# Allegro board C112P01-T2-ZDS-A03.brd (continued)
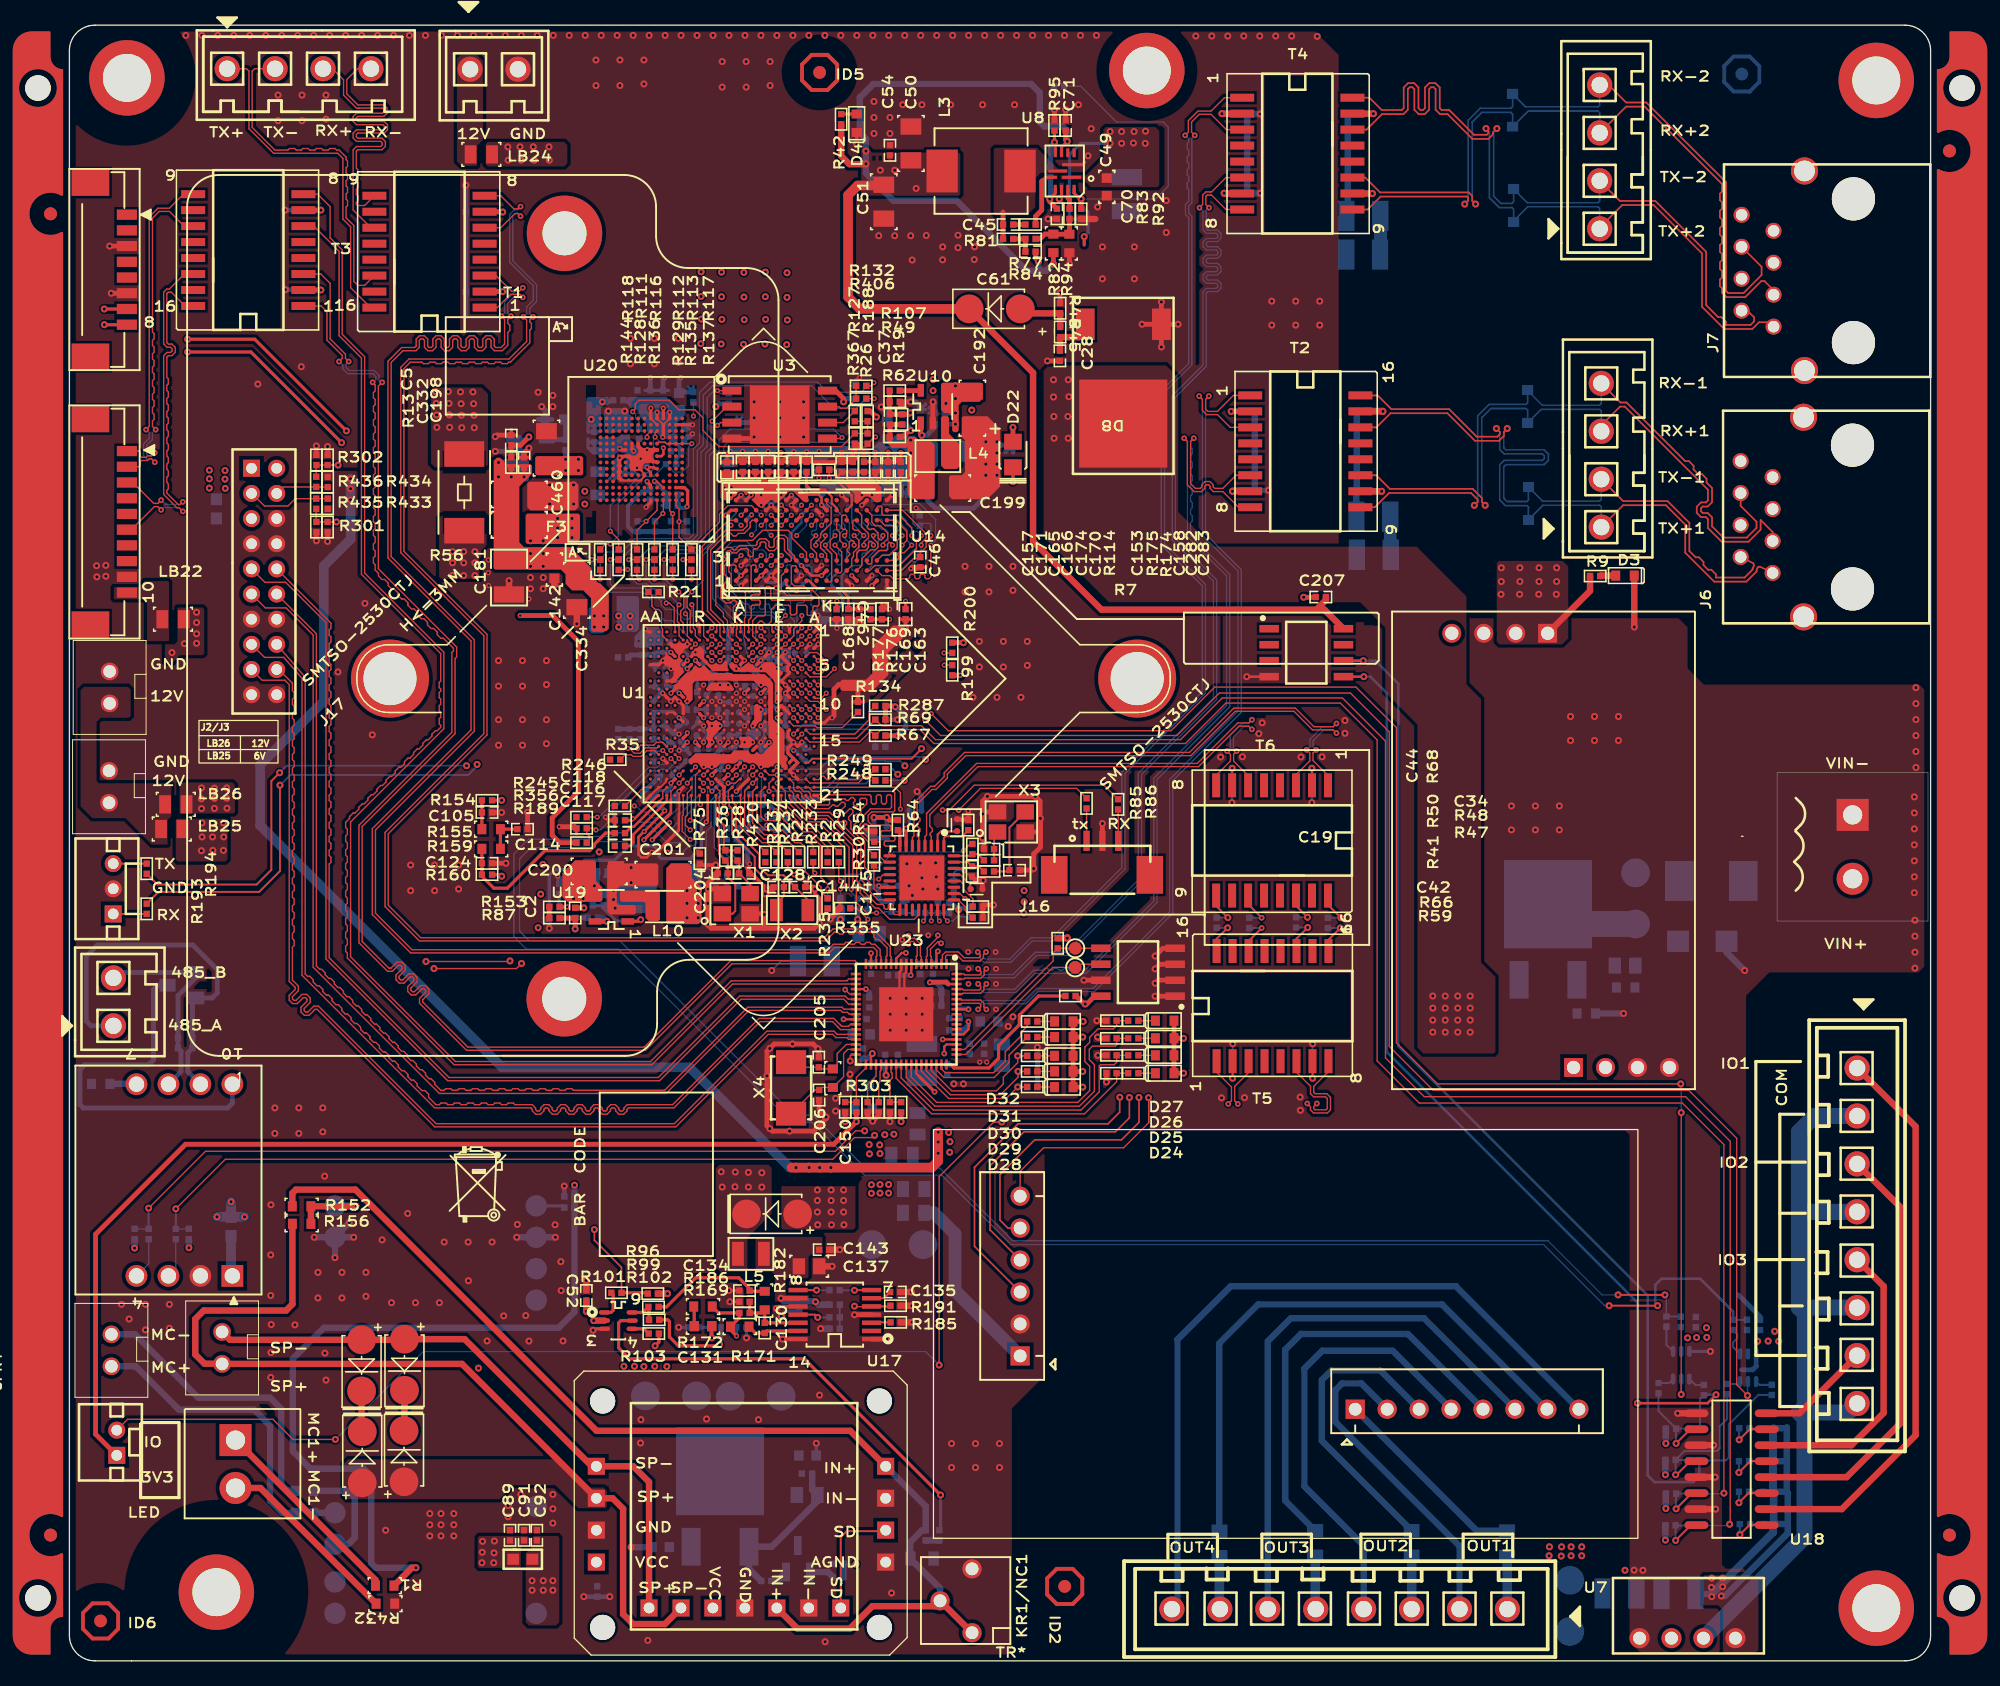
[diagram p0: board, top side]
## Routing (per net, layer and track width the routed paths; a pad name or vN(x,y) marks a point on that pad's centre or on a via; arc(x,y) is an arc through that point) (continued)
RXIP1: length 71.1
  TOP w0.102: T2.6 92.74,94.26 91.69,93.22 91.05,93.22 90.93,93.34 90.93,93.5 90.66,93.76 90.28,93.76 90.01,93.5 90.01,93.34 89.89,93.22 89.51,93.22 89.13,93.6 89.13,96.95 v2(89.38,97.21) ; v2(72.24,53.82) 72.44,53.62 72.44,53.44 72.34,53.34 71.07,53.34 71,53.41 U23.65
  BOTTOM w0.102: v2(72.24,53.82) 72.44,53.62 72.44,53.39 72.69,53.14 75.24,53.14 76.76,54.66 80.82,54.66 86.46,60.3 86.46,70.07 92.24,75.85 92.24,86.37 89.13,89.49 89.13,90.49 89.26,90.62 89.26,91.02 89.13,91.15 89.13,91.56 89.26,91.69 89.26,92.09 89.13,92.22 89.13,92.63 89.26,92.76 89.26,93.16 89.13,93.29 89.13,93.7 89.26,93.82 89.26,94.23 89.13,94.36 89.13,94.77 89.26,94.89 89.26,95.3 89.13,95.43 89.13,95.84 89.26,95.96 89.26,96.37 89.13,96.5 89.13,96.95 v2(89.38,97.21)
RXIP2: length 89.6
  TOP w0.102: T4.6 91.94,117.93 90.81,116.8 90.71,116.8 90.7,116.79 90.34,116.79 90.09,116.54 90.09,115.79 v2(89.83,115.54) ; v2(72.9,55.02) 72.72,54.85 72.72,54.53 72.47,54.28 71.17,54.28 71.1,54.21 U23.67
  BOTTOM w0.102: v2(72.9,55.02) 72.69,54.82 72.69,54.66 72.8,54.56 75,54.56 76.78,56.34 79.21,56.34 84.97,62.1 84.97,70.58 90.94,76.55 90.94,85.84 87.67,89.11 87.67,100.57 90.12,103.03 90.12,108.85 90.39,109.12 91.17,109.12 91.29,109.24 91.29,109.41 91.17,109.53 90.39,109.53 90.12,109.8 90.12,110.17 90.39,110.44 91.17,110.44 91.29,110.56 91.29,110.73 91.17,110.85 90.39,110.85 90.12,111.12 90.12,111.5 90.39,111.77 91.17,111.77 91.29,111.89 91.29,112.05 91.17,112.17 90.39,112.17 90.12,112.44 90.12,112.82 90.39,113.09 91.17,113.09 91.29,113.21 91.29,113.38 91.17,113.5 90.39,113.5 90.12,113.76 90.12,115.25 v2(89.83,115.54)
RXIP3: length 62.4
  TOP w0.102: U23.7 67.32,55.99 67.4,56.06 67.4,56.88 67.08,57.2 66.89,57.2 v2(66.69,57) ; T5.6 97.55,46.79 98.66,45.68 98.66,45.09 98.91,44.84 99.85,44.84 100,44.7 100,43.91 99.89,43.81 99.01,43.81 98.91,43.91 98.91,44.06 v2(99.17,44.31)
  ART03 w0.102: v2(66.69,57) 66.89,57.2 67.13,57.2 67.24,57.09 67.24,56.92 67.16,56.84 67.16,56.67 67.28,56.55 67.44,56.55 67.53,56.64 67.7,56.64 67.82,56.52 67.82,56.35 67.73,56.26 67.73,56.09 67.85,55.97 68.02,55.97 68.11,56.06 68.27,56.06 68.39,55.94 68.39,55.77 68.31,55.69 68.31,55.52 68.43,55.4 68.6,55.4 68.68,55.48 68.85,55.48 69.09,55.25 69.09,50.67 70.28,49.48 70.28,47.39 71.93,45.74 71.93,40.6 73.53,39 98.13,39 98.91,39.79 98.91,44.06 v2(99.17,44.31)
RXIP4: length 119
  TOP w0.102: v2(36.86,106.86) 36.6,106.6 36.6,106.46 36.73,106.33 36.73,105.93 36.6,105.8 36.6,104.8 36.19,104.39 36.19,104.39 35.05,103.25 34.92,103.25 34.8,103.14 34.4,103.14 34.28,103.25 33.88,103.25 33.76,103.14 33.35,103.14 33.24,103.25 32.83,103.25 32.72,103.14 32.31,103.14 32.2,103.25 31.79,103.25 31.67,103.14 31.27,103.14 31.15,103.25 30.74,103.25 30.63,103.14 30.22,103.14 30.11,103.25 29.7,103.25 29.59,103.14 29.18,103.14 29.06,103.25 28.66,103.25 28.54,103.14 28.13,103.14 28.02,103.25 27.1,103.25 26.59,102.74 26.59,88.21 33.2,81.61 33.2,73.61 25.35,65.76 25.35,60.07 27.93,57.49 60,57.49 60.7,58.19 63.86,58.19 65.25,56.8 65.25,56.06 65.32,55.99 U23.12 ; T1.6 34.29,113.94 35.41,115.06 35.66,115.06 v2(35.86,114.86)
  BOTTOM w0.102: v2(36.86,106.86) 36.6,107.11 36.6,107.54 37.13,108.07 37.13,109.42 35.26,111.3 35.26,114.88 35.49,115.11 35.61,115.11 v2(35.86,114.86)
RXIP5: length 115.3
  TOP w0.102: U23.20 52.72,53.81 46.3,47.4 30.58,47.4 22.1,55.88 22.1,56.26 21.96,56.4 21.96,56.81 22.1,56.95 22.1,57.36 21.96,57.5 21.96,57.91 22.1,58.05 22.1,58.45 21.96,58.59 21.96,59 22.1,59.14 22.1,59.55 21.96,59.69 21.96,60.1 22.1,60.24 22.1,60.64 21.96,60.78 21.96,61.19 22.1,61.33 22.1,61.74 21.96,61.88 21.96,62.29 22.1,62.43 22.1,62.83 21.96,62.97 21.96,63.38 22.1,63.52 22.1,63.93 21.96,64.07 21.96,64.47 22.1,64.61 22.1,65.02 21.96,65.16 21.96,65.57 22.1,65.71 22.1,66.12 21.96,66.26 21.96,66.66 22.27,66.98 22.27,67.13 22.56,67.41 22.71,67.41 23,67.7 23,67.85 23.29,68.14 23.44,68.14 23.72,68.43 23.72,68.58 24.01,68.87 24.16,68.87 24.45,69.16 24.45,69.31 24.74,69.6 24.89,69.6 25.18,69.88 25.18,70.03 25.47,70.32 25.62,70.32 25.91,70.61 25.91,70.76 26.19,71.05 26.34,71.05 26.63,71.34 26.63,71.49 26.92,71.78 27.07,71.78 27.36,72.07 27.36,72.22 27.65,72.5 27.8,72.5 28.09,72.79 28.09,72.94 28.38,73.23 28.53,73.23 28.81,73.52 28.81,73.67 29.1,73.96 29.25,73.96 29.51,74.22 29.51,74.38 29.4,74.49 29.4,74.9 29.51,75.01 29.51,75.42 29.4,75.53 29.4,75.94 29.51,76.06 29.51,76.46 29.4,76.58 29.4,76.99 29.51,77.1 29.51,77.27 29.4,77.38 29.4,77.79 29.51,77.91 29.51,80.08 23.22,86.38 23.22,103.58 21.44,105.36 21.44,112.06 19.43,114.07 T3.6
RXIP6: length 83.3
  TOP w0.102: U11.10 20.79,82.51 20.79,82.1 20.65,81.96 20.65,81.55 20.79,81.41 20.79,81 20.65,80.86 20.65,80.46 20.79,80.32 20.79,79.91 20.65,79.77 20.65,79.36 20.79,79.22 20.79,78.81 20.65,78.68 20.65,78.27 20.79,78.13 20.79,77.72 20.65,77.58 20.65,77.17 20.79,77.03 20.79,76.63 20.65,76.49 20.65,76.08 20.79,75.94 20.79,75.53 20.65,75.39 20.65,74.98 20.79,74.84 20.79,74.44 20.65,74.3 20.65,73.89 20.79,73.75 20.79,73.34 20.65,73.2 20.65,72.79 20.79,72.65 20.79,72.25 20.65,72.11 20.65,71.7 20.79,71.56 20.79,71.15 20.65,71.01 20.65,70.6 20.79,70.47 20.79,70.06 20.65,69.92 20.65,69.51 20.79,69.37 20.79,68.96 20.65,68.82 20.65,68.42 20.79,68.28 20.79,67.87 20.65,67.73 20.65,67.32 20.79,67.18 20.79,66.77 20.65,66.63 20.65,66.23 20.79,66.09 20.79,65.68 20.65,65.54 20.65,65.13 20.79,64.99 20.79,64.58 20.65,64.44 20.65,64.04 20.79,63.9 20.79,63.49 20.65,63.35 20.65,55.91 30.18,46.38 46.81,46.38 53.29,52.86 61.67,52.86 61.92,52.61 U23.23
RXIP7: length 83.5
  TOP w0.102: U23.31 61.94,49.41 61.8,49.56 60.93,49.56 60.68,49.81 55.55,49.81 48.2,42.46 29.04,42.46 19.7,51.8 19.53,51.8 19.06,51.32 18.68,51.32 18.41,51.59 18.41,51.97 18.88,52.45 18.88,52.61 18.76,52.73 18.6,52.73 18.12,52.26 17.74,52.26 17.47,52.53 17.47,52.91 17.95,53.38 17.95,53.55 17.48,54.02 17.48,77.62 17.13,77.97 15.33,77.97 U11.17
SD6: length 4.3
  TOP w0.102: U11.4 16.99,93.33 R436.1 19.63,93.32 R434.2
SD7: length 6.7
  TOP w0.102: U11.3 14.51,92.82 15.51,91.82 17.37,91.82 17.96,92.41 R435.1 R433.2
SDIO1_CCMD: length 1.2
  TOP w0.152: R234.2 57.1,63.02 v3(57.61,62.51)
SDIO1_CDATA0: length 0.9
  TOP w0.152: v3(59.26,62.64) 59.13,62.76 R233.2
SENSOR0_RSTN/BOOT_SEL1: length 11.9
  TOP w0.102: v3(48.47,71.73) 48.47,71.73 U1.V16 ; R189.2 41.35,65.28 41.35,65.56 41.12,65.79 R356.1 41.73,66.19 v3(41.86,66.07)
  BOTTOM w0.102: v3(41.86,66.07) 42.21,66.07 43.18,67.03 43.18,67.64 46.3,70.76 46.81,70.76 46.94,70.89 47.63,70.89 v3(48.47,71.73)
SFC_CLK: length 2.5
  TOP w0.102: U3.6 61.52,98.45 R127.2
SFC_CSN: length 22.7
  TOP w0.102: U3.1 v3(51.51,100.99) ; R136.2 45.12,86.18 v3(45.3,86)
  BOTTOM w0.102: v3(45.3,86) 45.12,86.18 45.12,87.49 46.05,88.42 46.39,88.42 46.62,88.65 49.45,88.65 50.22,89.41 50.22,96.09 50.7,96.57 50.7,100.43 51.26,100.99 v3(51.51,100.99) 51.74,100.76 R192.2
SFC_HOLD_IO3: length 35.4
  TOP w0.102: v3(44.37,86.77) 44.35,86.74 R128.2 ; v3(63.98,100.36) R406.2
  BOTTOM w0.102: v3(44.37,86.77) 44.37,86.79 44.02,87.15 44.02,87.78 45.16,88.93 49.35,88.93 49.91,89.48 49.91,96.22 50.39,96.7 50.39,100.63 51.13,101.37 59,101.37 60.78,99.59 62.56,99.59 63.32,100.36 R406.2 v3(63.98,100.36)
SFC_MISO_IO1: length 18.5
  TOP w0.102: v3(51.09,98.56) 52.25,99.72 U3.2 ; v3(46.51,86) R129.2
  BOTTOM w0.102: v3(51.09,98.56) 51,98.48 51,96.42 50.57,95.99 50.57,89.33 49.58,88.34 47.37,88.34 46.51,87.48 v3(46.51,86)
SFC_MOSI_IO0: length 24.3
  TOP w0.102: v3(61.42,97.26) 61.34,97.18 U3.5 ; v3(49.47,86) 49.44,86.03 R137.2
  BOTTOM w0.102: v3(49.47,86) 49.99,86.52 49.99,87.91 51.21,89.13 51.21,95.73 51.64,96.16 51.64,97.05 52.53,97.94 60.73,97.94 v3(61.42,97.26)
SFC_WP_IO2: length 17.3
  TOP w0.102: v3(47.96,86) R135.2 ; U3.3 51.77,98.45 51.54,98.22 v3(51.51,98.22)
  BOTTOM w0.102: R65.1 51.77,98.45 51.54,98.22 v3(51.51,98.22) 51.31,98.02 51.31,96.27 50.88,95.83 50.88,89.2 49.71,88.04 48.34,88.04 47.96,87.66 v3(47.96,86)
SPI0_CSN/I2C1_SCL: length 2.2
  TOP w0.102: U1.V15 v3(47.82,72.38)
  BOTTOM w0.102: R208.2 46.84,73.28 47.73,72.38 v3(47.82,72.38)
SPI0_SDI/I2C1_SDA: length 3.7
  TOP w0.102: U1.W15 47.5,72.71 47.17,73.03 46.68,73.03 46.46,72.81 46.45,72.81 46.44,72.81 45.42,72.81 v3(45.16,72.54)
  BOTTOM w0.102: R207.2 44.53,73.18 v3(45.16,72.54)
SPI0_SDO/I2C0_SDA: length 3.9
  TOP w0.102: U1.Y15 46.85,72.71 46.73,72.59 45.8,72.59 45.36,72.16 44.91,72.16 44.53,72.54 v3(44.4,72.54)
  BOTTOM w0.102: v3(44.4,72.54) 43.66,73.28 R204.2
SPK+: length 70.3
  TOP w0.508: R156.1 17.73,28.36 17.22,27.85 10.68,27.85 10.01,27.18 10.01,24.36 10.74,23.62 12.13,23.62 J11.1 31.21,23.61 U13.6 43.18,12.93 44.02,12.09 44.02,3.71 44.8,2.93 47.34,2.93 J18.2
SPK-: length 48.9
  TOP w0.508: J11.2 12.77,25.52 D45.1 26.58,25.52 D39.1 31.42,25.58 41.53,15.47 U13.5 44.83,15.47 46.08,14.22 J18.1
SVB_PWM: length 21
  TOP w0.203: U1.P21 50.74,68.81 50.74,66.82 v3(50.62,66.7)
  BOTTOM w0.254: R203.1 38.15,62.48 38.56,62.89 40.21,62.89 40.97,63.65 43.33,63.65 44.48,64.8 46.46,64.8 46.89,64.36 46.89,63.93 47.04,63.78 49.35,63.78 50.24,64.67 50.24,66.32 v3(50.62,66.7)
SYS_RSTN_OUT: length 37.7
  TOP w0.102: v3(63.96,101.63) 63.7,101.37 R132.2 ; R144.2 v3(42.2,86)
  BOTTOM w0.102: v3(63.96,101.63) 63.7,101.37 R132.2 63.35,101.27 62.94,100.86 60.27,100.86 59.46,101.68 50.93,101.68 50.09,100.84 50.09,96.82 49.61,96.34 49.61,89.53 49.3,89.23 44.96,89.23 43.89,88.16 42.75,88.16 42.2,87.61 v3(42.2,86)
TEST_MODE: length 6.9
  TOP w0.102: R75.1 49.77,64.53 49.77,70.43 U1.R18
TP_INT: length 6.9
  TOP w0.102: R287.2 63.58,75.44 63.58,74.83 62.43,73.69 58.87,73.69 U1.B13
TP_RST: length 7.4
  TOP w0.102: U1.C13 v3(57.57,73.68)
  BOTTOM w0.102: v3(57.57,73.68) 58.33,74.45 63.68,74.45 R198.2
TX+3: length 3.1
  TOP w0.152: v1(92.07,58.28) 91.2,57.4 T5.16
  BOTTOM w0.152: R138.1 v1(92.07,58.28)
TX-3: length 3.3
  TOP w0.152: T5.14 93.74,57.23 v2(94.78,58.27)
  BOTTOM w0.152: R133.1 v2(94.78,58.27)
TXOM1: length 71.2
  TOP w0.102: T2.3 92.28,98.07 91.26,99.09 90.39,99.09 90.07,99.41 90.07,100.3 v2(89.81,100.55) ; v2(72.24,51.8) 72.44,52 72.44,52.18 72.34,52.28 70.9,52.28 70.83,52.21 U23.62
  BOTTOM w0.102: v2(72.24,51.8) 72.44,52 72.44,52.25 72.69,52.5 75.92,52.5 76.89,53.47 81.37,53.47 87.46,59.55 87.46,70.07 92.9,75.52 92.9,86.65 90.07,89.48 90.07,100.3 v2(89.81,100.55)
TXOM2: length 89.3
  TOP w0.102: U23.2 69.32,55.73 69.4,55.81 69.4,56.11 69.65,56.36 70.66,56.36 71.12,55.91 72.31,55.91 72.41,56.01 72.41,56.15 v2(72.21,56.36) ; T4.3 91.97,121.74 90.75,122.96 89.82,122.96 89.2,122.35 89.2,121.54 v2(89.46,121.29)
  BOTTOM w0.102: v2(72.21,56.36) 72.41,56.15 72.41,55.8 72.66,55.55 74.86,55.55 76.54,57.23 78.19,57.23 83.92,62.96 83.92,70.55 90.31,76.95 90.31,85.58 87.06,88.83 87.06,100.83 87.15,100.92 87.15,100.95 89.23,103.04 89.23,114.84 88.97,115.1 88.97,115.68 89.23,115.93 89.23,121.06 v2(89.46,121.29)
TXOM3: length 63
  TOP w0.102: U23.4 68.52,55.99 68.45,56.06 68.45,56.58 69.04,57.17 69.17,57.17 v2(69.29,57.05) ; v2(92.88,44.28) 92.63,44.53 92.63,45.67 93.74,46.78 T5.3
  ART03 w0.102: v2(92.88,44.28) 92.63,44.02 92.63,41.93 92.11,41.41 91.54,41.41 91.27,41.68 91.27,42.35 91.15,42.47 90.98,42.47 90.86,42.35 90.86,41.68 90.59,41.41 90.22,41.41 89.95,41.68 89.95,42.35 89.83,42.47 89.66,42.47 89.54,42.35 89.54,41.68 89.27,41.41 88.89,41.41 88.62,41.68 88.62,42.35 88.5,42.47 88.34,42.47 88.22,42.35 88.22,41.68 87.95,41.41 87.57,41.41 87.3,41.68 87.3,42.35 87.18,42.47 87.01,42.47 86.89,42.35 86.89,41.68 86.62,41.41 86.25,41.41 85.98,41.68 85.98,42.35 85.86,42.47 85.69,42.47 85.57,42.35 85.57,41.68 85.3,41.41 84.92,41.41 84.65,41.68 84.65,42.35 84.53,42.47 84.37,42.47 84.25,42.35 84.25,41.68 83.98,41.41 83.6,41.41 83.33,41.68 83.33,42.35 83.21,42.47 83.04,42.47 82.92,42.35 82.92,41.68 82.66,41.41 82.28,41.41 82.01,41.68 82.01,42.35 81.89,42.47 81.72,42.47 81.6,42.35 81.6,41.68 81.33,41.41 80.95,41.41 80.68,41.68 80.68,42.35 80.56,42.47 80.4,42.47 80.28,42.35 80.28,41.68 80.01,41.41 79.63,41.41 79.36,41.68 79.36,42.35 79.24,42.47 79.07,42.47 78.95,42.35 78.95,41.68 78.69,41.41 73.81,41.41 72.97,42.25 72.97,46.03 71.32,47.68 71.32,49.88 70.23,50.97 70.23,54.95 70,55.18 70,55.36 70.23,55.59 70.23,55.77 70,56 70,56.18 70.23,56.4 70.23,56.89 69.76,57.36 69.5,57.36 69.41,57.33 v2(69.29,57.05)
TXOM4: length 118.8
  TOP w0.102: U23.15 64.12,55.99 64.2,56.06 64.2,56.45 63.93,56.72 60.83,56.72 60.4,56.29 27.13,56.29 24.08,59.33 24.08,66.17 31.93,74.02 31.93,81.08 25.32,87.69 25.32,103.33 26.41,104.42 27.45,104.42 27.57,104.54 27.57,105.09 27.83,105.36 28.21,105.36 28.48,105.09 28.48,104.54 28.6,104.42 28.77,104.42 28.89,104.54 28.89,105.09 29.16,105.36 29.54,105.36 29.8,105.09 29.8,104.54 29.92,104.42 30.09,104.42 30.21,104.54 30.21,105.09 30.48,105.36 30.86,105.36 31.13,105.09 31.13,104.54 31.25,104.42 31.42,104.42 31.54,104.54 31.54,105.09 31.8,105.36 32.18,105.36 32.45,105.09 32.45,104.54 32.57,104.42 32.74,104.42 32.86,104.54 32.86,105.09 33.13,105.36 33.51,105.36 33.77,105.09 33.77,104.54 33.89,104.42 34.31,104.42 34.59,104.7 34.59,106.65 v2(34.34,106.91) ; v2(36.04,109.17) 35.77,108.9 35.14,108.9 33.91,110.13 T1.3
  BOTTOM w0.102: v2(34.34,106.91) 34.59,107.16 34.59,108.05 35.46,108.92 35.79,108.92 v2(36.04,109.17)
TXOM5: length 115.3
  TOP w0.102: v2(24.87,101.65) 24.56,101.35 24.56,86.83 30.78,80.61 30.78,79.81 30.66,79.69 30.66,73.72 23.27,66.33 23.27,57.2 25.4,55.08 25.56,55.08 26.05,55.56 26.43,55.56 26.7,55.29 26.7,54.91 26.21,54.43 26.21,54.26 26.33,54.14 26.5,54.14 26.99,54.63 27.37,54.63 27.63,54.36 27.63,53.98 27.15,53.49 27.15,53.32 27.27,53.2 27.44,53.2 27.92,53.69 28.3,53.69 28.57,53.42 28.57,53.04 28.08,52.56 28.08,52.39 31.68,48.79 45.69,48.79 52.57,55.68 62.43,55.68 62.7,55.41 63.32,55.41 ; v2(22.2,103.3) 21.95,103.56 21.95,103.89 20.73,105.11 20.73,109.52 19.99,110.26 T3.3
  BOTTOM w0.102: v2(24.87,101.65) 24.71,101.65 24.61,101.75 24.61,102.21 24.23,102.59 22.23,102.59 22,102.82 22,103.1 v2(22.2,103.3)
TXOM6: length 82.8
  TOP w0.102: U23.26 62.01,51.41 61.86,51.56 61.47,51.56 61.31,51.71 54.03,51.71 47.43,45.11 29.41,45.11 19.38,55.14 19.38,81.56 17.22,83.72 15.58,83.72 U11.11
TXOM7: length 83.7
  TOP w0.102: U23.28 62.09,50.61 61.93,50.44 61.4,50.44 61.3,50.54 61.3,50.55 60.77,51.08 54.81,51.08 47.96,44.22 44.35,44.22 44.08,43.95 44.08,43.83 43.96,43.71 43.79,43.71 43.67,43.83 43.67,43.95 43.4,44.22 43.03,44.22 42.76,43.95 42.76,43.83 42.64,43.71 42.47,43.71 42.35,43.83 42.35,43.95 42.08,44.22 41.7,44.22 41.43,43.95 41.43,43.83 41.31,43.71 41.15,43.71 41.03,43.83 41.03,43.95 40.76,44.22 40.38,44.22 40.11,43.95 40.11,43.83 39.99,43.71 39.82,43.71 39.7,43.83 39.7,43.95 39.43,44.22 39.06,44.22 38.79,43.95 38.79,43.83 38.67,43.71 38.5,43.71 38.38,43.83 38.38,43.95 38.11,44.22 37.73,44.22 37.46,43.95 37.46,43.83 37.34,43.71 37.18,43.71 37.06,43.83 37.06,43.95 36.79,44.22 35.42,44.22 35.29,44.35 34.88,44.35 34.76,44.22 34.35,44.22 34.22,44.35 33.82,44.35 33.69,44.22 33.28,44.22 33.15,44.35 32.75,44.35 32.62,44.22 32.21,44.22 32.08,44.35 31.68,44.35 31.55,44.22 31.14,44.22 31.02,44.35 30.61,44.35 30.48,44.22 30.07,44.22 29.95,44.35 29.54,44.35 29.41,44.22 29.14,44.22 28.55,44.8 28.55,45.05 28.27,45.34 28.02,45.34 27.65,45.71 27.65,45.88 27.36,46.17 27.19,46.17 26.9,46.46 26.9,46.63 26.61,46.92 26.44,46.92 26.15,47.21 26.15,47.38 25.86,47.67 25.69,47.67 25.4,47.96 25.4,48.13 25.11,48.42 24.94,48.42 24.65,48.71 24.65,48.88 24.36,49.17 24.19,49.17 23.9,49.46 23.9,49.63 23.61,49.92 23.44,49.92 23.15,50.21 23.15,50.39 22.86,50.67 22.69,50.67 22.4,50.96 22.4,51.14 22.11,51.42 21.93,51.42 21.65,51.71 21.65,51.89 21.36,52.17 21.18,52.17 20.9,52.46 20.9,52.64 20.61,52.93 20.43,52.93 20.15,53.21 20.15,53.39 19.86,53.68 19.68,53.68 19.39,53.96 19.39,54.14 19.11,54.43 18.93,54.43 18.75,54.61 18.75,78.21 U11.16
TXOP1: length 71.3
  TOP w0.102: v2(72.9,51.8) 72.69,52 72.69,52.29 72.44,52.54 70.93,52.54 70.86,52.61 U23.63 ; T2.1 92.53,100.61 91.26,99.34 90.5,99.34 90.32,99.52 90.32,100.3 v2(90.58,100.55)
  BOTTOM w0.102: v2(72.9,51.8) 72.69,52 72.69,52.15 72.8,52.25 76.03,52.25 76.99,53.21 81.48,53.21 87.71,59.45 87.71,69.97 93.15,75.41 93.15,86.75 90.32,89.59 90.32,100.3 v2(90.58,100.55)
TXOP2: length 89.2
  TOP w0.102: v2(88.7,121.29) 88.95,121.54 88.95,122.45 89.71,123.22 90.75,123.22 91.82,124.28 T4.1 ; v2(72.87,56.36) 72.66,56.15 72.66,55.9 72.41,55.65 71.01,55.65 70.56,56.11 69.75,56.11 69.65,56.01 69.65,55.78 69.72,55.7 U23.1
  BOTTOM w0.102: v2(88.7,121.29) 88.98,121.01 88.98,120.75 88.86,120.63 88.86,120.23 88.98,120.11 88.98,119.7 88.86,119.59 88.86,119.18 88.98,119.07 88.98,118.66 88.86,118.55 88.86,118.14 88.98,118.02 88.98,117.62 88.86,117.5 88.86,117.09 88.98,116.98 88.98,116.04 88.72,115.78 88.72,115 88.98,114.74 88.98,103.14 86.89,101.06 86.89,101.02 86.8,100.93 86.8,88.72 90.06,85.47 90.06,77.05 83.66,70.66 83.66,63.06 78.08,57.48 76.43,57.48 74.75,55.8 72.76,55.8 72.66,55.91 72.66,56.15 v2(72.87,56.36)
TXOP3: length 63
  TOP w0.102: v2(69.04,57.68) 69.04,57.53 68.2,56.69 68.2,56.06 68.12,55.99 U23.5 ; T5.1 91.2,46.81 92.38,45.63 92.38,44.53 v2(92.12,44.28)
  ART03 w0.102: v2(92.12,44.28) 92.38,44.02 92.38,42.04 92.01,41.67 91.64,41.67 91.52,41.79 91.52,42.45 91.26,42.72 90.88,42.72 90.61,42.45 90.61,41.79 90.49,41.67 90.32,41.67 90.2,41.79 90.2,42.45 89.93,42.72 89.55,42.72 89.29,42.45 89.29,41.79 89.17,41.67 89,41.67 88.88,41.79 88.88,42.45 88.61,42.72 88.23,42.72 87.96,42.45 87.96,41.79 87.84,41.67 87.67,41.67 87.55,41.79 87.55,42.45 87.29,42.72 86.91,42.72 86.64,42.45 86.64,41.79 86.52,41.67 86.35,41.67 86.23,41.79 86.23,42.45 85.96,42.72 85.58,42.72 85.32,42.45 85.32,41.79 85.2,41.67 85.03,41.67 84.91,41.79 84.91,42.45 84.64,42.72 84.26,42.72 83.99,42.45 83.99,41.79 83.87,41.67 83.7,41.67 83.58,41.79 83.58,42.45 83.32,42.72 82.94,42.72 82.67,42.45 82.67,41.79 82.55,41.67 82.38,41.67 82.26,41.79 82.26,42.45 81.99,42.72 81.61,42.72 81.35,42.45 81.35,41.79 81.23,41.67 81.06,41.67 80.94,41.79 80.94,42.45 80.67,42.72 80.29,42.72 80.02,42.45 80.02,41.79 79.9,41.67 79.73,41.67 79.62,41.79 79.62,42.45 79.35,42.72 78.97,42.72 78.7,42.45 78.7,41.79 78.58,41.67 78.15,41.67 78.05,41.77 77.64,41.77 77.54,41.67 77.13,41.67 77.02,41.77 76.62,41.77 76.51,41.67 76.11,41.67 76,41.77 75.59,41.77 75.49,41.67 75.08,41.67 74.98,41.77 74.57,41.77 74.47,41.67 73.91,41.67 73.23,42.35 73.23,46.13 71.58,47.78 71.58,49.99 70.49,51.08 70.49,57 69.87,57.62 69.45,57.62 69.32,57.56 v2(69.04,57.68)
TXOP4: length 118.8
  TOP w0.102: v2(36.04,108.41) 35.81,108.64 35.06,108.64 34.01,107.59 T1.1 ; v2(35.1,106.91) 34.85,106.65 34.85,106.35 35.01,106.18 35.01,105.78 34.85,105.61 34.85,104.6 34.42,104.17 33.79,104.17 33.52,104.43 33.52,104.99 33.4,105.11 33.23,105.11 33.11,104.99 33.11,104.43 32.84,104.17 32.47,104.17 32.2,104.43 32.2,104.99 32.08,105.11 31.91,105.11 31.79,104.99 31.79,104.43 31.52,104.17 31.14,104.17 30.87,104.43 30.87,104.99 30.75,105.11 30.59,105.11 30.47,104.99 30.47,104.43 30.2,104.17 29.82,104.17 29.55,104.43 29.55,104.99 29.43,105.11 29.26,105.11 29.14,104.99 29.14,104.43 28.87,104.17 28.5,104.17 28.23,104.43 28.23,104.99 28.11,105.11 27.94,105.11 27.82,104.99 27.82,104.43 27.55,104.17 26.52,104.17 25.58,103.23 25.58,87.79 32.18,81.19 32.18,73.91 24.33,66.06 24.33,59.44 27.23,56.54 60.3,56.54 60.73,56.97 61.58,56.97 61.73,57.12 61.98,57.12 62.14,56.97 62.39,56.97 62.54,57.12 62.8,57.12 62.95,56.97 63.21,56.97 63.36,57.12 63.61,57.12 63.77,56.97 64.03,56.97 64.45,56.56 64.45,56.06 64.52,55.99 U23.14
  BOTTOM w0.102: v2(36.04,108.41) 35.79,108.66 35.56,108.66 34.85,107.95 34.85,107.16 v2(35.1,106.91)
TXOP5: length 115.1
  TOP w0.102: v2(21.44,103.3) 21.69,103.56 21.69,103.78 20.47,105 20.47,107.26 20.02,107.72 T3.1 ; U23.18 62.52,55.23 62.33,55.42 52.68,55.42 45.8,48.54 31.57,48.54 27.83,52.28 27.83,52.66 28.32,53.15 28.32,53.32 28.2,53.44 28.03,53.44 27.54,52.95 27.16,52.95 26.89,53.22 26.89,53.6 27.38,54.08 27.38,54.25 27.26,54.37 27.09,54.37 26.61,53.89 26.23,53.89 25.96,54.15 25.96,54.53 26.44,55.02 26.44,55.19 26.32,55.31 26.16,55.31 25.67,54.82 25.29,54.82 23.02,57.09 23.02,66.44 30.4,73.82 30.4,80.18 30.53,80.3 30.53,80.51 29.74,81.3 29.64,81.3 29.54,81.3 29.25,81.59 29.25,81.69 29.25,81.79 28.96,82.08 28.86,82.08 28.76,82.08 28.47,82.37 28.47,82.47 28.47,82.57 28.18,82.86 27.98,82.86 27.69,83.15 27.69,83.35 27.4,83.64 27.2,83.64 26.91,83.93 26.91,84.03 26.91,84.13 26.62,84.42 26.52,84.42 26.52,84.42 26.42,84.42 26.13,84.7 26.13,84.81 26.13,84.81 26.13,84.91 25.84,85.2 25.74,85.2 25.64,85.2 25.35,85.48 25.35,85.69 25.06,85.98 24.86,85.98 24.57,86.26 24.57,86.47 24.31,86.73 24.31,87.15 24.17,87.29 24.17,87.7 24.31,87.84 24.31,88.25 24.17,88.38 24.17,88.79 24.31,88.93 24.31,89.34 24.17,89.48 24.17,89.89 24.31,90.03 24.31,90.43 24.17,90.57 24.17,90.98 24.31,91.12 24.31,91.53 24.17,91.67 24.17,92.08 24.31,92.22 24.31,92.62 24.17,92.76 24.17,93.17 24.31,93.31 24.31,93.72 24.17,93.86 24.17,94.27 24.31,94.41 24.31,94.81 24.17,94.95 24.17,95.36 24.31,95.5 24.31,95.91 24.17,96.05 24.17,96.45 24.31,96.59 24.31,97 24.17,97.14 24.17,97.55 24.31,97.69 24.31,98.1 24.17,98.24 24.17,98.64 24.31,98.78 24.31,99.19 24.17,99.33 24.17,99.74 24.31,99.88 24.31,100.29 24.17,100.43 24.17,100.83 24.31,100.97 24.31,101.45 v2(24.1,101.65)
  BOTTOM w0.102: v2(24.1,101.65) 24.14,101.65 24.36,101.87 24.36,102.11 24.13,102.34 22.12,102.34 21.74,102.72 21.74,103 v2(21.44,103.3)
TXOP6: length 82.8
  TOP w0.102: U23.25 61.57,51.81 61.42,51.97 53.92,51.97 47.32,45.36 40.07,45.36 39.94,45.49 39.53,45.49 39.41,45.36 39,45.36 38.87,45.49 38.46,45.49 38.34,45.36 37.93,45.36 37.8,45.49 37.39,45.49 37.27,45.36 36.86,45.36 36.73,45.49 36.33,45.49 36.2,45.36 35.79,45.36 35.66,45.49 35.26,45.49 35.13,45.36 34.72,45.36 34.59,45.49 34.19,45.49 34.06,45.36 33.65,45.36 33.53,45.49 33.12,45.49 32.99,45.36 32.58,45.36 32.46,45.49 32.05,45.49 31.92,45.36 31.51,45.36 31.39,45.49 30.98,45.49 30.85,45.36 30.44,45.36 30.32,45.49 29.91,45.49 29.78,45.36 29.52,45.36 29.04,45.84 29.04,45.99 28.75,46.28 28.6,46.28 28.31,46.57 28.31,46.72 28.03,47.01 27.88,47.01 27.59,47.29 27.59,47.44 27.3,47.73 27.15,47.73 26.86,48.02 26.86,48.17 26.58,48.46 26.43,48.46 26.14,48.74 26.14,48.89 25.85,49.18 25.7,49.18 25.41,49.47 25.41,49.62 25.12,49.91 24.98,49.91 24.69,50.19 24.69,50.34 24.4,50.63 24.25,50.63 23.96,50.92 23.96,51.07 23.67,51.36 23.53,51.36 23.24,51.65 23.24,51.79 22.95,52.08 22.8,52.08 22.51,52.37 22.51,52.52 22.22,52.81 22.08,52.81 21.79,53.1 21.79,53.24 21.5,53.53 21.35,53.53 21.06,53.82 21.06,53.97 20.77,54.26 20.63,54.26 20.34,54.55 20.34,54.69 20.05,54.98 19.9,54.98 19.63,55.25 19.63,81.66 U11.12
TXOP7: length 83.7
  TOP w0.102: U23.29 62.3,50.21 62.28,50.19 61.29,50.19 61.12,50.36 61.12,50.36 60.66,50.83 54.92,50.83 48.06,43.97 44.45,43.97 44.33,43.85 44.33,43.73 44.07,43.46 43.69,43.46 43.42,43.73 43.42,43.85 43.3,43.97 43.13,43.97 43.01,43.85 43.01,43.73 42.74,43.46 42.36,43.46 42.1,43.73 42.1,43.85 41.98,43.97 41.81,43.97 41.69,43.85 41.69,43.73 41.42,43.46 41.04,43.46 40.77,43.73 40.77,43.85 40.65,43.97 40.48,43.97 40.36,43.85 40.36,43.73 40.1,43.46 39.72,43.46 39.45,43.73 39.45,43.85 39.33,43.97 39.16,43.97 39.04,43.85 39.04,43.73 38.77,43.46 38.39,43.46 38.13,43.73 38.13,43.85 38.01,43.97 37.84,43.97 37.72,43.85 37.72,43.73 37.45,43.46 37.07,43.46 36.8,43.73 36.8,43.85 36.68,43.97 29.03,43.97 18.49,54.51 18.49,78.12 17.04,79.78 15.51,79.78 U11.15
UART0_RXD: length 40.8
  TOP w0.102: U1.U21 48.79,67.26 48.72,67.18 48.72,65.94 v3(49.35,65.3) ; v2(69.42,67.64) 69.95,67.64 71.93,69.62 82.25,69.62 R86.2
  ART03 w0.102: v3(49.35,65.3) 51.38,65.3 51.79,64.9 58.22,64.9 61.47,68.15 68.91,68.15 v2(69.42,67.64)
UART0_TXD: length 38.3
  TOP w0.102: v3(49.35,66.07) 48.97,66.45 48.97,67.08 49.12,67.23 49.12,69.01 49.45,69.34 U1.T20 ; v2(70.69,67.64) 72.42,69.37 80.07,69.37 R85.2
  ART03 w0.102: v3(49.35,66.07) 51.13,66.07 51.96,65.24 58.05,65.24 61.22,68.4 69.93,68.4 v2(70.69,67.64)
UART1_RXD: length 58.1
  TOP w0.102: v3(49.35,66.83) 49.44,66.92 49.44,68.81 U1.T21
  TOP w0.152: R193.2 7.09,61.14 15.09,61.14 16.74,62.79 v1(16.74,69.62)
  ART03 w0.102: v1(32.41,71.27) 32.45,71.31 48.68,71.31 49.49,70.5 49.49,68.75 49.35,68.61 v3(49.35,66.83)
  BOTTOM w0.152: v1(16.74,69.62) 17.55,70.43 31.7,70.43 32.41,71.15 v1(32.41,71.27)
UART1_TXD: length 52.7
  TOP w0.102: v3(49.12,69.78) 49.44,70.11 U1.T19
  TOP w0.152: v1(16.71,70.61) 16.05,69.95 16.05,62.89 14.88,61.72 7,61.72 R194.2
  ART03 w0.102: v3(49.12,69.78) 49.12,70.36 48.68,70.8 31.94,70.8 v1(31.57,71.17)
  BOTTOM w0.152: v1(31.57,71.17) 17.27,71.17 v1(16.71,70.61)
